# Altium PCB controller.PcbDoc (part 5 of 6) (continued)
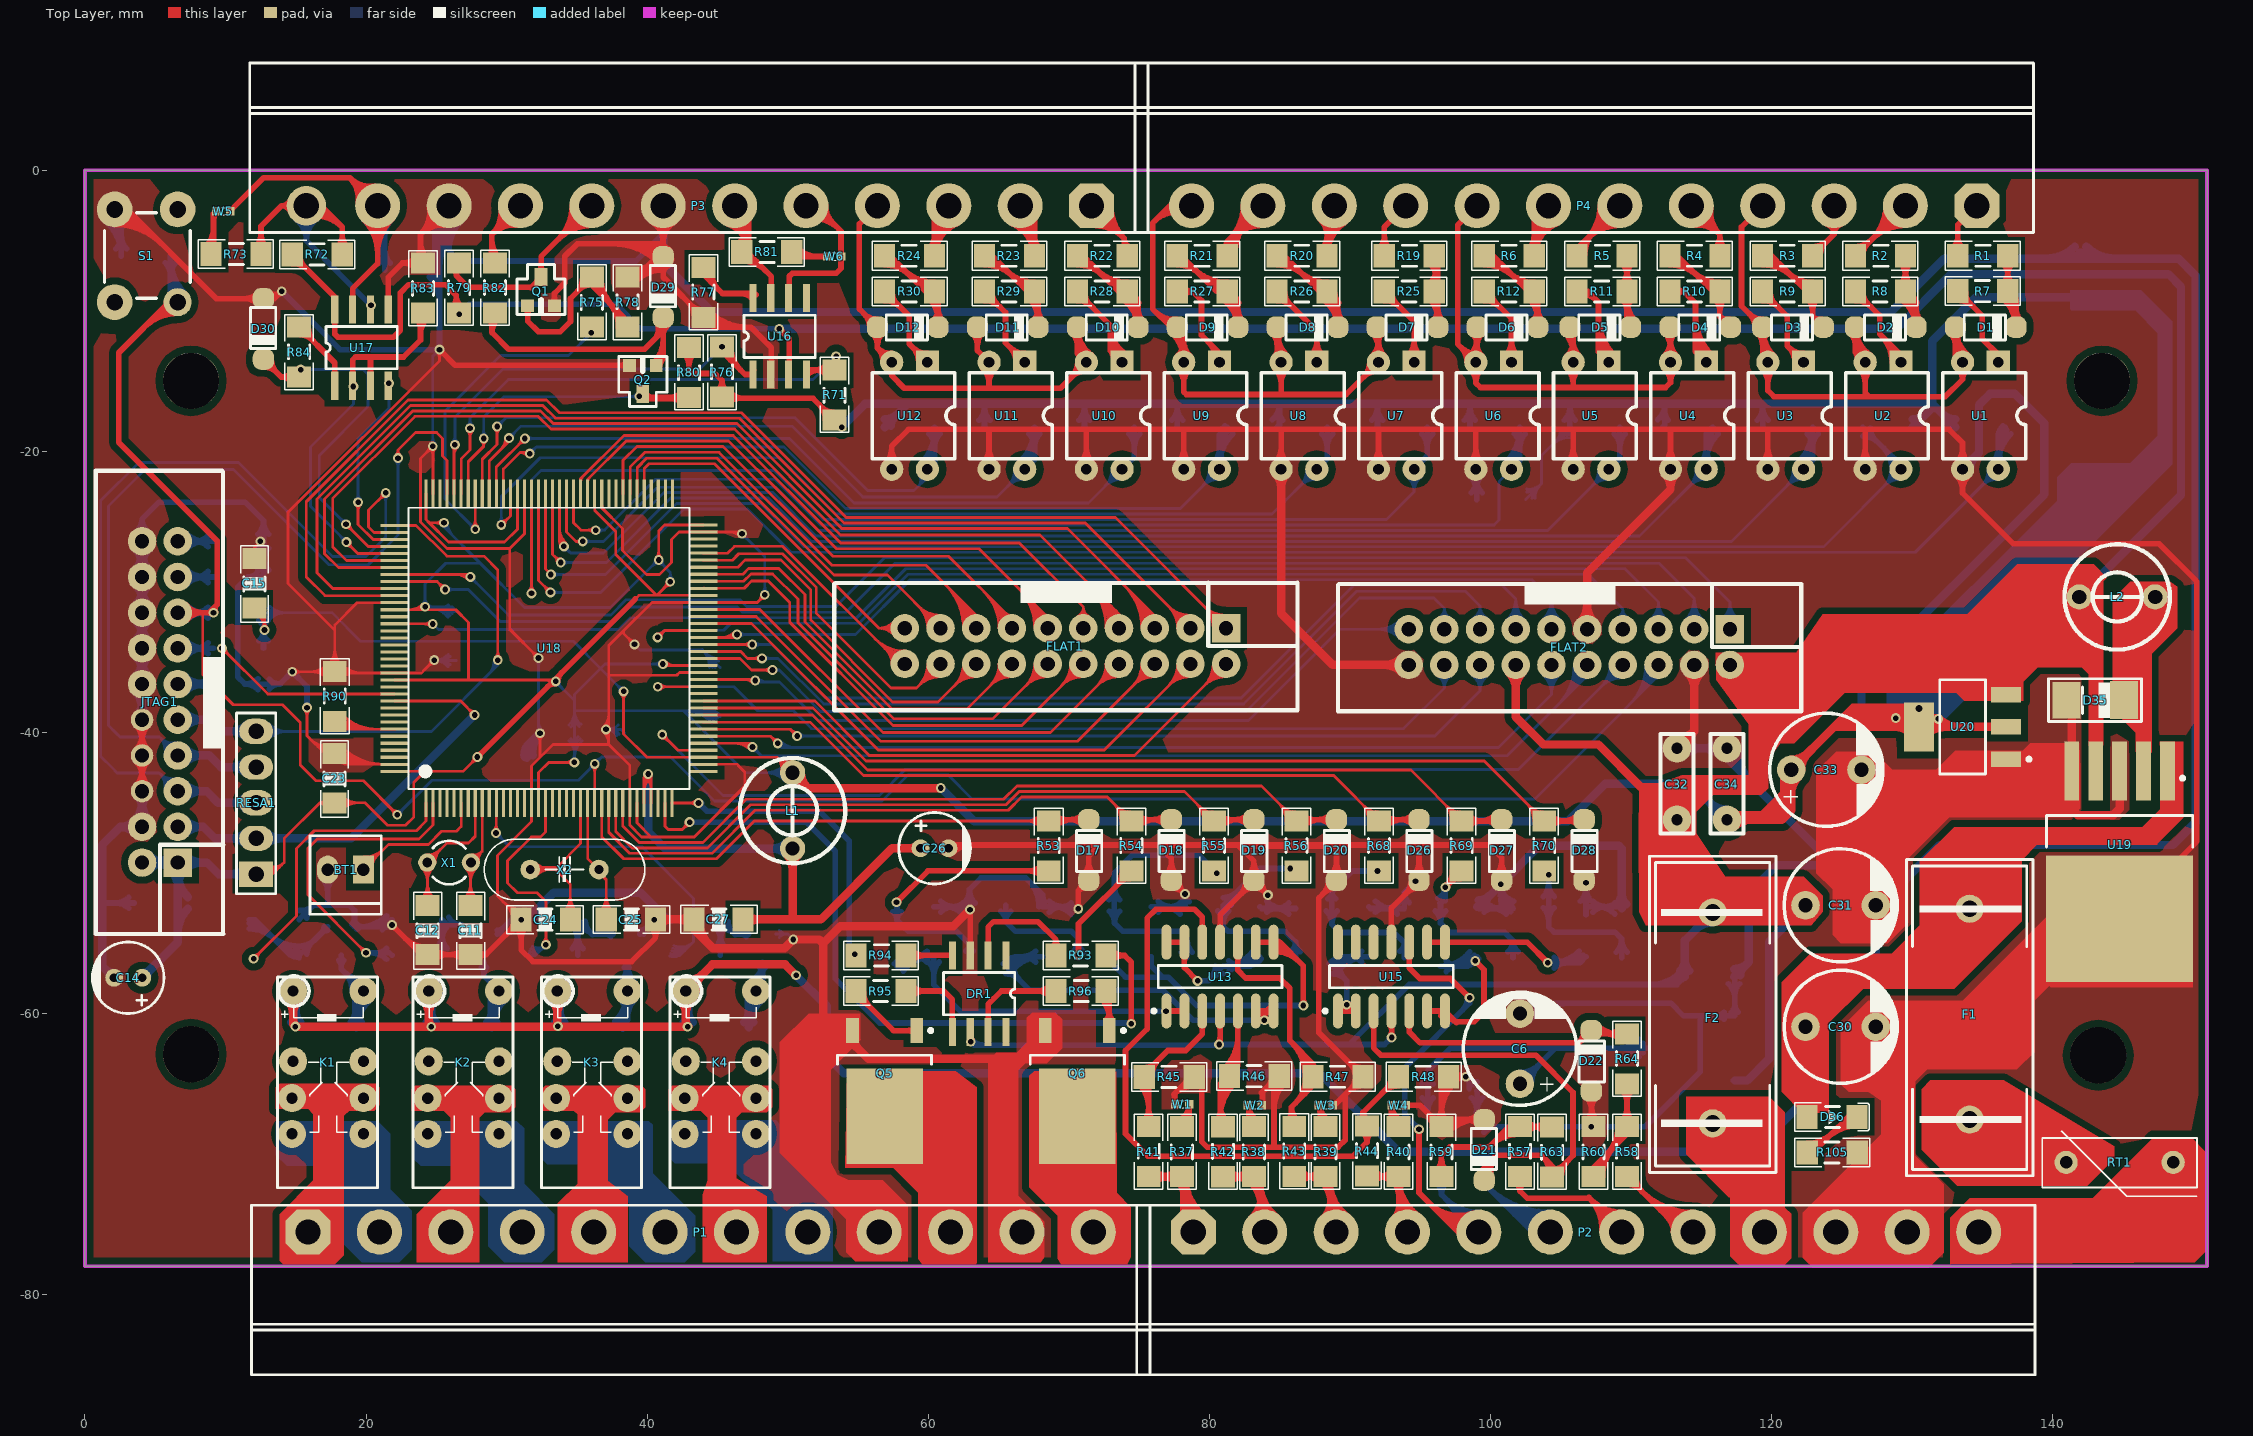
[diagram p0: Top Layer view]
## Nets (pads, with @x,y where several pads share a name; then routed paths per layer and width w, separated by ;. In a path a pad name is that pad's centre, name@x,y a point inside that pad or via, vN(x,y) a via of type N, cw(c..) or ccw(c..) an arc to the next point about the centre after c; other vN are vias at no path point) (continued)
NetR42_2: R42.2 R46.2 U13.5 | length 23.3
  Top Layer w0.4: R42.2@80.486,-67.688 ccw(c79.796,-66.998) 80.772,-66.998 ; R42.2@80.772,-68.072 80.772,-65.024 81.374,-64.422 82.041,-63.755 U13.5@82.041,-59.841 ; R42.2@80.772,-67.484 cw(c84.336,-67.484) R46.2@81.816,-64.964 ; 80.772,-66.518 cw(c83.37,-66.518) R46.2@81.533,-64.681 ; 80.772,-66.501 ccw(c82.451,-66.501) R42.2@81.264,-67.688 ; 80.772,-65.553 cw(c82.405,-65.553) R46.2@81.25,-64.398 ; R46.2@81.038,-63.986 ccw(c78.617,-61.565) 82.041,-61.565 ; R46.2@81.321,-64.269 ccw(c79.583,-62.531) 82.041,-62.531 ; R46.2@81.604,-64.552 ccw(c80.548,-63.496) 82.041,-63.496 ; U13.5@81.935,-60.847 cw(c81.679,-61.103) 82.041,-61.103 cw(c82.403,-61.103) U13.5@82.147,-60.847
NetR43_2: R43.2 R47.2 U13.10 | length 28.7
  Top Layer w0.4: U13.10@81.935,-55.947 cw(c81.679,-56.203) 82.041,-56.203 cw(c82.403,-56.203) U13.10@82.147,-55.947 ; U13.10@82.041,-54.941 82.041,-56.941 82.587,-57.487 85.012,-57.487 85.725,-58.2 85.725,-61.95 87.376,-63.601 ; R43.2@85.561,-67.663 ccw(c84.859,-66.961) 85.852,-66.961 ; R43.2@85.852,-68.072 85.852,-68.052 85.852,-66.675 ; 85.861,-62.086 cw(c83.531,-64.416) R47.2@86.826,-64.416 ; 86.12,-66.407 ccw(c84.411,-64.699) R47.2@86.826,-64.631 ; R43.2@86.301,-67.628 cw(c87.089,-66.675) 85.852,-66.675 ; 86.544,-62.769 cw(c84.896,-64.416) R47.2@87.226,-64.416 ; 86.776,-65.751 ccw(c85.689,-64.663) R47.2@87.226,-64.62 ; R47.2@87.17,-63.906 ccw(c87.047,-63.601) 87.376,-63.601 ; 87.226,-63.451 cw(c86.262,-64.416) R47.2@87.626,-64.416 ; R47.2@87.376,-65.151 85.852,-66.675 ; R47.2@87.376,-64.516 87.376,-63.601 ; R47.2@87.582,-63.906 cw(c87.705,-63.601) 87.376,-63.601
NetR44_2: R44.2 R48.2 U13.12 | length 51.6
  Top Layer w0.4: U13.12@79.395,-53.935 ccw(c79.139,-53.679) 79.501,-53.679 ccw(c79.863,-53.679) U13.12@79.607,-53.935 ; U13.12@79.501,-54.941 79.501,-53.151 78.95,-52.6 76.2,-52.6 75.576,-53.224 75.576,-61.118 74.044,-62.65 74.044,-68.576 75.633,-70.165 90.235,-70.165 91.225,-69.175 ; R44.2@90.736,-67.638 ccw(c90.263,-67.165) 90.932,-67.165 ; R44.2@90.88,-68.456 cw(c90.302,-69.175) 91.225,-69.175 ; R44.2@90.932,-68.027 90.932,-67.056 ; R44.2@91.225,-68.027 91.225,-69.175 ; R44.2@91.269,-67.496 cw(c91.388,-67.056) 90.932,-67.056 ; R44.2@91.57,-68.456 ccw(c92.148,-69.175) 91.225,-69.175 ; 92.362,-65.626 cw(c93.472,-66.735) R48.2@93.472,-65.166 ; 92.604,-65.384 ccw(c91.836,-64.616) R48.2@92.922,-64.616 ; R48.2@93.472,-64.516 90.932,-67.056
NetR57_2: R57.2 R59.2 R63.1 | length 20.6
  Top Layer w0.4: R59.2@96.131,-71.239 ccw(c95.192,-70.3) 96.52,-70.3 ccw(c97.848,-70.3) R59.2@96.909,-71.239 ; R59.2@96.52,-71.628 96.52,-70.104 97.11,-69.514 99.904,-69.514 101.346,-68.072 R57.2@102.108,-68.072 104.4,-68.072 R63.1@104.648,-68.072 ; 99.939,-69.479 cw(c102.008,-71.548) R57.2@102.008,-68.622 ; 100.622,-68.796 cw(c102.008,-70.182) R57.2@102.008,-68.222 ; R57.2@102.597,-68.461 cw(c103.536,-69.4) 103.536,-68.072 cw(c103.536,-66.744) R57.2@102.597,-67.683 ; R57.2@102.924,-68.072 cw(c102.924,-69.468) R63.1@103.911,-68.481 ; 103.02,-68.072 ccw(c103.02,-66.812) R63.1@103.911,-67.703
NetR58_2: R58.2 R60.2 R64.1 | length 20.7
  Top Layer w0.4: R60.2@107.188,-71.628 107.188,-71.623 107.188,-71.12 109.728,-68.58 R58.2@109.728,-68.072 R64.1@109.728,-65.024 ; R60.2@107.2,-71.623 cw(c108.443,-71.623) 107.564,-70.744 ; R60.2@107.6,-71.623 cw(c109.809,-71.623) 108.247,-70.061 ; R60.2@108,-71.623 cw(c111.175,-71.623) 108.93,-69.378 ; 108.259,-70.049 ccw(c106.282,-68.072) R58.2@109.078,-68.072 ; 108.942,-69.366 ccw(c107.648,-68.072) R58.2@109.478,-68.072 ; R58.2@109.339,-67.683 ccw(c108.4,-66.744) 109.728,-66.744 ccw(c111.056,-66.744) R58.2@110.117,-67.683 ; R64.1@109.339,-65.413 cw(c108.4,-66.352) 109.728,-66.352 cw(c111.056,-66.352) R64.1@110.117,-65.413
NetR73_1: R73.1 W5.2 | length 7.3
  Top Layer w0.4: R73.1@8.578,-5.486 ccw(c7.212,-4.12) 9.144,-4.12 ; R73.1@8.861,-5.769 ccw(c8.178,-5.086) 9.144,-5.086 ; R73.1@9.144,-6.604 9.144,-5.975 9.144,-3.106 W5.2@9.325,-2.925 ; 9.144,-4.975 ccw(c9.867,-4.975) R73.1@9.356,-5.486 ; 9.144,-3.603 cw(c10.003,-3.603) W5.2@9.396,-2.996
NetR77_2: R77.2 U16.8 | length 7.7
  Top Layer w0.4: R77.2@44.196,-7.62 45.361,-8.785 47.525,-8.785 U16.8@47.575,-8.785 ; R77.2@44.247,-6.959 ccw(c45.32,-7.191) 44.544,-7.968 ; R77.2@44.638,-7.043 ccw(c46.174,-7.375) 45.062,-8.486 ; 46.608,-8.785 cw(c46.608,-10.027) U16.8@47.486,-9.149 ; U16.8@47.573,-8.785 cw(c47.573,-9.062) U16.8@47.769,-8.866
NetR81_2: R81.2 W6.2 | length 5.6
  Top Layer w0.4: R81.2@50.292,-5.825 50.617,-6.15 W6.2@52.8,-6.15 ; R81.2@50.398,-5.819 ccw(c51.197,-5.02) 51.197,-6.15 ; R81.2@50.681,-6.314 cw(c51.077,-6.71) 51.077,-6.15 ; R81.2@50.681,-5.536 ccw(c52.163,-4.054) 52.163,-6.15
NetR84_2: R84.2 U17.1 | length 7.3
  Top Layer w0.4: R84.2@15.24,-11.176 17.775,-13.711 U17.1@17.775,-15.35 ; R84.2@15.34,-11.726 cw(c15.34,-12.812) 16.108,-12.044 ; R84.2@15.89,-11.176 ccw(c17.459,-11.176) 16.35,-12.286
NetR90_1: R90.1 U18.138 | length 14.1
  Top Layer w0.2: R90.1@17.769,-39.339 ccw(c18.848,-38.26) 18.848,-39.786 ; R90.1@17.78,-39.624 17.942,-39.786 U18.138@22.02,-39.786 ; R90.1@17.91,-39.198 ccw(c19.331,-37.777) 19.331,-39.786 ; R90.1@18.052,-39.056 ccw(c19.814,-37.294) 19.814,-39.786 ; R90.1@18.193,-38.915 ccw(c20.296,-36.812) 20.296,-39.786 ; R90.1@18.335,-38.773 ccw(c20.779,-36.329) 20.779,-39.786
O1: K1.3 P1.2 | length 12.5
  Bottom Layer w0.4: K1.3@14.732,-68.58 K1.3@19.812,-68.58 19.812,-74.422 P1.2@20.955,-75.565
O2: K2.3 P1.4 | length 12.7
  Bottom Layer w0.4: K2.3@24.384,-68.58 K2.3@29.464,-68.58 29.464,-72.389 31.115,-74.04 P1.4@31.115,-75.565
O3: K3.3 P1.6 | length 13.2
  Bottom Layer w0.4: K3.3@33.528,-68.58 K3.3@38.608,-68.58 38.608,-71.983 41.275,-74.65 P1.6@41.275,-75.565
O4: K4.3 P1.8 | length 13.6
  Bottom Layer w0.4: K4.3@42.672,-68.58 K4.3@47.752,-68.58
  Bottom Layer w0.6: K4.3@47.752,-68.58 51.435,-72.263 P1.8@51.435,-75.565
OHMA: P2.5 R61.1 U15.10 | length 63.3
  Top Layer w0.4: U15.10@94.127,-55.947 cw(c93.871,-56.203) 94.233,-56.203 cw(c94.595,-56.203) U15.10@94.339,-55.947 ; U15.10@94.233,-54.941 94.233,-56.783 94.975,-57.525 97.15,-57.525 ; v1@94.819,-68.356 cw(c94.563,-68.612) 94.925,-68.612 cw(c95.287,-68.612) v1@95.031,-68.356 ; v1(94.925,-68.25) 94.925,-72.775 97.715,-75.565 P2.5@99.187,-75.565 ; 95.661,-73.511 ccw(c97.789,-71.383) P2.5@98.743,-74.237 ; 96.118,-73.968 ccw(c98.018,-72.068) P2.5@98.87,-74.617 ; 96.575,-74.425 ccw(c98.247,-72.754) P2.5@98.997,-74.996 ; 97.033,-74.883 ccw(c98.476,-73.439) P2.5@99.124,-75.375 ; 97.49,-75.34 ccw(c98.705,-74.124) P2.5@99.25,-75.755 ; v1@98.3,-58.675 97.15,-57.525 ; v1(98.525,-58.9) 97.15,-57.525 ; 98.269,-58.644 ccw(c98.525,-58.388) 98.525,-58.75 cw(c98.525,-58.388) 98.269,-58.644 ; 98.269,-58.644 cw(c98.013,-58.9) 98.375,-58.9 ccw(c98.013,-58.9) 98.269,-58.644
  Bottom Layer w0.4: v1@94.775,-68.25 ccw(c94.413,-68.25) 94.669,-67.994 ccw(c94.925,-67.738) v1@94.925,-68.1 ; v1(94.925,-68.25) 93.925,-67.25 93.925,-63.875 98.525,-59.275 v1(98.525,-58.9) ; R61.1@96.144,-72.029 cw(c95.329,-72.898) 96.52,-72.898 ; R61.1@96.52,-71.628 96.52,-72.898 ; R61.1@96.896,-72.029 ccw(c97.711,-72.898) 96.52,-72.898 ; P2.5@97.787,-75.565 ccw(c94.407,-75.565) 96.797,-73.175 ccw(c99.187,-70.785) P2.5@99.187,-74.165 ; 98.004,-59.796 ccw(c97.108,-58.9) v1@98.375,-58.9 ; P2.5@98.187,-75.565 ccw(c95.773,-75.565) 97.48,-73.858 ccw(c99.187,-72.151) P2.5@99.187,-74.565 ; P2.5@99.187,-75.565 96.52,-72.898
OHMB: P2.6 R62.2 | length 26.7
  Bottom Layer w0.4: R62.2@99.06,-71.628 102.997,-75.565 P2.6@104.267,-75.565 ; R62.2@99.16,-72.178 cw(c99.16,-73.264) 99.928,-72.496 ; R62.2@99.709,-72.277 ccw(c104.267,-67.719) P2.6@104.267,-74.165 ; R62.2@99.71,-71.628 ccw(c101.279,-71.628) 100.17,-72.738 ; 100.392,-72.96 ccw(c104.267,-69.085) P2.6@104.267,-74.565 ; 101.075,-73.643 ccw(c104.267,-70.45) P2.6@104.267,-74.965 ; 101.758,-74.326 ccw(c104.267,-71.816) P2.6@104.267,-75.365 ; 102.44,-75.008 ccw(c104.267,-73.182) P2.6@104.267,-75.765
OUT_5V: F2.2 P2.9 | length 9.3
  Top Layer w0.6: F2.2@115.824,-67.832 119.507,-71.515 P2.9@119.507,-75.565
RELAY1: R97.2 U18.1 | length 21.4
  Top Layer w0.2: v1(12,-56.125) 15.05,-53.075 15.05,-48.277 16.312,-47.015 23.585,-47.015 24.27,-46.33 U18.1@24.27,-45.036 ; v1@12,-55.875 ccw(c12,-55.271) 12.427,-55.698 ccw(c12.854,-56.125) v1@12.25,-56.125
RELAY2: R99.2 U18.2 | length 25.8
  Top Layer w0.2: v1@19.75,-55.7 ccw(c19.146,-55.7) 19.573,-55.273 ccw(c20,-54.846) v1@20,-55.45 ; v1(20,-55.7) 15.85,-51.55 15.85,-48.275 16.525,-47.6 23.775,-47.6 24.77,-46.605 U18.2@24.77,-45.036
  Bottom Layer w0.4: v1(20,-55.7) 21.664,-55.7 R99.2@21.844,-55.88 ; v1@20.106,-55.806 cw(c20.362,-56.062) 20.362,-55.7 cw(c20.362,-55.338) v1@20.106,-55.594 ; v1@20.323,-55.7 cw(c20.323,-57.301) R99.2@21.455,-56.169 ; 20.709,-55.7 ccw(c20.709,-54.645) R99.2@21.455,-55.391
RELAY3: R101.2 U18.18 | length 20.8
  Top Layer w0.2: v1@32.623,-54.948 ccw(c32.196,-54.521) 32.8,-54.521 ccw(c33.404,-54.521) v1@32.977,-54.948 ; U18.18@32.77,-45.036 32.77,-47.105 32.413,-47.462 31.763,-47.462 30.075,-49.15 30.075,-50.725 30.775,-51.425 32.175,-51.425 32.8,-52.05 v1(32.8,-55.125)
  Bottom Layer w0.2: R101.2@31.496,-55.88 32.045,-55.88 v1(32.8,-55.125) cw(c32.256,-54.581) R101.2@31.844,-55.231 ; R101.2@31.523,-55.738 ccw(c31.845,-55.23) 32.27,-55.655 ; R101.2@31.63,-55.569 ccw(c31.982,-55.013) 32.447,-55.478 ; R101.2@31.737,-55.4 ccw(c32.119,-54.797) v1@32.623,-55.302 ; v1@32.55,-55.125 cw(c31.946,-55.125) 32.373,-55.552 cw(c32.8,-55.979) v1@32.8,-55.375
RELAY4: R103.2 U18.11 | length 31.3
  Top Layer w0.2: v1@29.073,-46.998 ccw(c28.598,-46.523) 29.27,-46.523 ; v1(29.25,-47.175) 29.27,-47.155 U18.11@29.27,-45.036 ; 29.27,-46.62 ccw(c29.805,-46.62) v1@29.427,-46.998
  Bottom Layer w0.2: v1@29.25,-47.425 cw(c29.25,-48.029) 29.677,-47.602 cw(c30.104,-47.175) v1@29.5,-47.175 ; v1(29.25,-47.175) 30.225,-48.15 39.625,-48.15 43.3,-51.825 43.3,-54.925 ; R103.2@41.596,-55.917 ccw(c41.914,-55.194) 42.472,-55.753 ; R103.2@41.656,-55.88 42.345,-55.88 43.3,-54.925 ; R103.2@41.676,-55.734 ccw(c42.04,-54.906) 42.679,-55.546 ; R103.2@41.757,-55.551 ccw(c42.166,-54.619) 42.886,-55.339 ; R103.2@41.837,-55.368 ccw(c42.292,-54.331) 43.093,-55.132 ; R103.2@41.917,-55.185 ccw(c42.419,-54.044) 43.3,-54.925
RESET: C13.1 FLAT2.6 JTAG1.15 R85.2 S1.2 U18.25 | length 203.4
  Top Layer w0.2: 8.375,-31.496 8.375,-35.875 10.55,-38.05 14.05,-38.05 15.325,-39.325 15.325,-42.35 16.425,-43.45 19.8,-43.45 v1(22.225,-45.875) ; v1@21.975,-45.875 ccw(c21.371,-45.875) 21.798,-45.448 ccw(c22.225,-45.021) v1@22.225,-45.625 ; v1@36.093,-42.432 cw(c35.666,-42.859) 36.27,-42.859 cw(c36.874,-42.859) v1@36.447,-42.432 ; U18.25@36.27,-45.036 v1(36.27,-42.255)
  Top Layer w0.4: 4.209,-11.191 cw(c6.596,-13.577) S1.2@6.596,-10.202 ; 4.892,-10.508 cw(c6.596,-12.211) S1.2@6.596,-9.802 ; 5.575,-9.825 cw(c6.596,-10.846) S1.2@6.596,-9.402 5.998,-9.402 2.4,-13 2.4,-19.375 9.4,-26.375 9.4,-30.925 ; 5.653,-9.747 ccw(c5.308,-9.402) S1.2@5.796,-9.402 ; JTAG1.15@6.604,-31.496 8.375,-31.496 ; JTAG1.15@7.224,-32.026 cw(c8.375,-33.01) 8.375,-31.496 ; JTAG1.15@7.224,-30.966 ccw(c8.375,-29.982) 8.375,-31.496 ; 8.776,-31.496 cw(c8.776,-31.872) v1@9.042,-31.606 ; 8.796,-31.496 ccw(c8.796,-31.148) v1@9.042,-31.394 ; v1@9.144,-31.496 v1@8.829,-31.496 ; v1@9.288,-31.447 cw(c9.747,-31.272) 9.4,-30.925 ; 8.375,-31.496 v1@8.829,-31.496 ; v1@8.829,-31.496 8.986,-31.338 9.4,-30.925
  Bottom Layer w0.2: R85.2@9.144,-31.496 v1(9.148,-31.5) ; v1(22.225,-45.875) 24.675,-43.425 35.1,-43.425 v1(36.27,-42.255) 36.75,-41.775 41.675,-41.775 44.79,-44.89 56.722,-44.89 58.562,-43.05 61.425,-43.05 63.125,-44.75 103.175,-44.75 111.97,-35.955 FLAT2.6@111.97,-35.215 ; v1@22.225,-45.625 ccw(c22.225,-45.021) 22.652,-45.448 ccw(c23.079,-45.875) v1@22.475,-45.875 ; v1@36.02,-42.255 cw(c35.416,-42.255) 35.843,-42.682 cw(c36.27,-43.109) v1@36.27,-42.505 ; v1@36.27,-42.005 ccw(c36.27,-41.401) 36.697,-41.828 ccw(c37.124,-42.255) v1@36.52,-42.255 ; 109.883,-38.042 ccw(c107.056,-35.215) FLAT2.6@111.054,-35.215 ; 110.224,-37.701 ccw(c107.739,-35.215) FLAT2.6@111.254,-35.215 ; 110.566,-37.359 ccw(c108.422,-35.215) FLAT2.6@111.454,-35.215 ; 110.907,-37.018 ccw(c109.105,-35.215) FLAT2.6@111.654,-35.215 ; 111.249,-36.676 ccw(c109.787,-35.215) FLAT2.6@111.854,-35.215 ; 111.59,-36.335 ccw(c110.47,-35.215) FLAT2.6@112.054,-35.215 ; 111.67,-36.255 cw(c111.97,-36.556) FLAT2.6@111.97,-36.131
  Bottom Layer w0.4: C13.1@5.699,-6.585 cw(c4.76,-7.524) 6.088,-7.524 cw(c7.416,-7.524) C13.1@6.477,-6.585 ; 6.088,-8.176 ccw(c7.822,-8.176) S1.2@6.596,-9.402 ; 6.088,-7.21 ccw(c8.788,-7.21) S1.2@6.879,-9.119 ; C13.1@6.088,-6.244 ccw(c9.754,-6.244) S1.2@7.162,-8.836 ; C13.1@6.088,-6.096 6.088,-8.655 S1.2@6.6,-9.167 ; JTAG1.15@6.604,-31.496 R85.2@9.144,-31.496 ; JTAG1.15@7.181,-32.073 cw(c8.574,-33.466) 8.574,-31.496 cw(c8.574,-29.526) JTAG1.15@7.181,-30.919 ; R85.2@8.755,-31.885 ccw(c7.816,-32.824) 7.816,-31.496 ccw(c7.816,-30.168) R85.2@8.755,-31.107 ; R85.2@8.776,-31.496 cw(c8.776,-31.872) R85.2@9.042,-31.606 ; R85.2@8.796,-31.496 ccw(c8.796,-31.148) R85.2@9.042,-31.394
RS485A: P3.12 R72.1 R73.2 U17.6 | length 38.9
  Top Layer w0.4: R73.2@12.134,-5.486 ccw(c11.195,-4.547) 12.523,-4.547 ccw(c13.851,-4.547) R73.2@12.912,-5.486 ; R73.2@12.523,-5.975 12.523,-4.002 13.985,-2.54 ; P3.12@14.632,-2.98 ccw(c13.985,-3.235) 13.985,-2.54 ; P3.12@14.632,-2.1 cw(c13.985,-1.845) 13.985,-2.54 ; P3.12@15.826,-2.932 cw(c16.248,-5.045) 17.772,-3.522 ; P3.12@15.905,-3.325 cw(c16.424,-5.926) 18.3,-4.05 ; 17.243,-2.993 ccw(c16.072,-4.163) P3.12@15.748,-2.54 ; R72.1@17.919,-5.511 ccw(c16.98,-4.572) 18.308,-4.572 ccw(c19.636,-4.572) R72.1@18.697,-5.511 ; R72.1@18.308,-6 18.308,-4.058 16.79,-2.54 P3.12@15.748,-2.54 ; U17.6@20.315,-9.91 20.35,-9.875 v1(20.35,-9.625) ; 13.985,-2.54 P3.12@15.748,-2.54
  Bottom Layer w0.4: P3.12@15.002,-3.48 cw(c13.779,-5.023) 15.748,-5.023 ; P3.12@15.251,-3.167 cw(c14.436,-4.195) 15.748,-4.195 cw(c17.06,-4.195) P3.12@16.245,-3.167 ; P3.12@15.748,-2.54 15.748,-5.023 ; P3.12@16.494,-3.48 ccw(c17.717,-5.023) 15.748,-5.023 ; v1@20.2,-9.625 ccw(c19.838,-9.625) 20.094,-9.369 ccw(c20.35,-9.113) v1@20.35,-9.475 ; v1(20.35,-9.625) 15.748,-5.023
RS485B: P3.11 R74.2 U17.7 W5.1 | length 55.6
  Top Layer w0.4: W5.1@10.325,-2.925 12.7,-0.55 18.838,-0.55 ; U17.7@19.05,-9.292 19.05,-8.425 20.828,-6.647 P3.11@20.828,-2.54 ; P3.11@19.441,-2.348 ccw(c17.333,-2.055) 18.838,-0.55 ; P3.11@19.838,-3.53 cw(c17.448,-5.92) 20.828,-5.92 cw(c24.208,-5.92) P3.11@21.818,-3.53 ; P3.11@19.837,-2.403 ccw(c18.332,-2.194) 19.407,-1.119 ccw(c20.482,-0.044) P3.11@20.691,-1.549 ; P3.11@20.121,-3.247 cw(c18.414,-4.954) 20.828,-4.954 cw(c23.242,-4.954) P3.11@21.535,-3.247 ; P3.11@20.636,-1.153 cw(c20.343,0.955) 18.838,-0.55 ; P3.11@21.025,-2.737 P3.11@20.828,-2.54 ; 18.838,-0.55 P3.11@20.828,-2.54
  Bottom Layer w0.4: P3.11@19.839,-3.531 cw(c16.237,-7.14) R74.2@21.336,-7.14 ; P3.11@20.122,-3.248 cw(c17.2,-6.176) 21.336,-6.176 ; P3.11@20.404,-2.965 cw(c18.162,-5.211) 21.336,-5.211 ; P3.11@20.687,-2.682 cw(c19.125,-4.247) 21.336,-4.247 ; P3.11@20.828,-2.54 21.336,-3.048 R74.2@21.336,-7.112 ; R74.2@20.947,-6.623 ccw(c20.008,-5.684) 21.336,-5.684 ccw(c22.664,-5.684) R74.2@21.725,-6.623 ; 21.336,-4.693 cw(c22.981,-4.693) P3.11@21.818,-3.53
RS-LCD: FLAT1.13 U18.80 | length 47.5
  Top Layer w0.2: U18.80@38.295,-23.036 38.295,-20.653 39.288,-19.66 45.41,-19.66 53.227,-27.477 61.452,-27.477 65.96,-31.985 FLAT1.13@65.96,-32.6 ; 63.961,-29.986 cw(c61.348,-32.6) FLAT1.13@65.044,-32.6 ; 64.303,-30.328 cw(c62.031,-32.6) FLAT1.13@65.244,-32.6 ; 64.644,-30.669 cw(c62.714,-32.6) FLAT1.13@65.444,-32.6 ; 64.986,-31.011 cw(c63.396,-32.6) FLAT1.13@65.644,-32.6 ; 65.327,-31.352 cw(c64.079,-32.6) FLAT1.13@65.844,-32.6 ; 65.446,-31.471 ccw(c65.96,-30.957) FLAT1.13@65.96,-31.684
RST_ENC: FLAT2.1 U18.116 | length 110.4
  Top Layer w0.2: U18.116@22.02,-28.786 27.261,-28.786 v1(27.422,-28.947) ; 26.43,-28.786 cw(c26.43,-29.94) v1@27.245,-29.124 ; 26.912,-28.786 cw(c26.912,-29.457) v1@27.387,-28.982
  Bottom Layer w0.2: v1@27.422,-29.197 cw(c27.422,-29.801) 27.849,-29.374 cw(c28.276,-28.947) v1@27.672,-28.947 ; v1(27.422,-28.947) 30.125,-31.65 37.425,-31.65 38.5,-30.575 46.6,-30.575 47.075,-31.05 53.425,-31.05 56.885,-27.59 113.89,-27.59 117.05,-30.75 ; FLAT2.1@116.472,-31.964 ccw(c115.485,-30.75) 117.05,-30.75 ; FLAT2.1@116.598,-32.119 ccw(c115.827,-31.17) 117.05,-31.17 ccw(c118.273,-31.17) FLAT2.1@117.502,-32.119 ; FLAT2.1@116.725,-32.275 ccw(c116.169,-31.591) 117.05,-31.591 ccw(c117.931,-31.591) FLAT2.1@117.375,-32.275 ; FLAT2.1@117.05,-32.675 117.05,-30.75 ; FLAT2.1@117.628,-31.964 cw(c118.615,-30.75) 117.05,-30.75
RTCK: JTAG1.11 R86.1 | length 7
  Bottom Layer w0.6: JTAG1.11@6.604,-36.576 R86.1@9.144,-36.576 ; JTAG1.11@7.11,-37.082 cw(c8.333,-38.305) 8.333,-36.576 cw(c8.333,-34.847) JTAG1.11@7.11,-36.07 ; R86.1@8.826,-36.894 ccw(c8.058,-37.662) 8.058,-36.576 ccw(c8.058,-35.49) R86.1@8.826,-36.258
RW485: R83.2 U17.2 U17.3 U18.113 | length 33.9
  Top Layer w0.2: v1@18.6,-26.725 cw(c18.6,-27.329) 19.027,-26.902 cw(c19.454,-26.475) v1@18.85,-26.475 ; v1(18.6,-26.475) 19.411,-27.286 U18.113@22.02,-27.286 ; U17.2@19.045,-15.35 v1(19.1,-15.405)
  Top Layer w0.4: U17.2@19.045,-15.35 19.045,-13.505 19.25,-13.3 20.4,-13.3 ; U17.2@19.045,-14.91 ccw(c19.595,-14.91) U17.2@19.206,-15.299 ; U17.3@20.315,-15.35 20.315,-13.385 20.4,-13.3 ; R83.2@23.561,-10.562 cw(c22.801,-11.322) 23.876,-11.322 ; 23.876,-11.679 cw(c25.456,-11.679) R83.2@24.339,-10.562 ; R83.2@23.876,-10.16 23.876,-10.173 23.876,-12.099 22.675,-13.3 20.4,-13.3
  Bottom Layer w0.2: v1@18.35,-26.475 ccw(c17.746,-26.475) 18.173,-26.048 ccw(c18.6,-25.621) v1@18.6,-26.225 ; v1(18.6,-26.475) 16.05,-23.925 16.05,-19.7 19.1,-16.65 v1(19.1,-15.405) ; v1@18.923,-15.582 cw(c18.496,-16.009) 19.1,-16.009 cw(c19.704,-16.009) v1@19.277,-15.582
RX_485: D30.2 R84.1 U18.112 | length 34
  Top Layer w0.2: R84.1@15.325,-14.175 v1(15.35,-14.2) ; v1@18.575,-25.45 cw(c18.575,-26.054) 19.002,-25.627 cw(c19.429,-25.2) v1@18.825,-25.2 ; v1(18.575,-25.2) 20.161,-26.786 U18.112@22.02,-26.786
  Top Layer w0.4: D30.2@12.7,-13.462 13.97,-14.732 ; D30.2@12.712,-14.012 cw(c12.712,-15.311) 13.63,-14.392 ; D30.2@13.262,-13.462 ccw(c14.619,-13.462) 13.659,-14.421 ; R84.1@14.716,-15.083 ccw(c13.97,-15.701) 13.97,-14.732 ; R84.1@14.716,-14.381 cw(c13.97,-13.763) 13.97,-14.732 ; R84.1@14.779,-14.732 ccw(c14.779,-13.764) R84.1@15.549,-14.352 ; R84.1@15.231,-14.109 cw(c13.97,-13.145) 13.97,-14.732 ; R84.1@15.24,-14.732 13.97,-14.732
  Bottom Layer w0.2: v1(15.35,-14.2) 19.8,-14.2 20.15,-14.55 20.15,-16.825 16.675,-20.3 16.675,-23.3 v1(18.575,-25.2) ; v1@15.527,-14.377 cw(c15.954,-14.804) 15.954,-14.2 cw(c15.954,-13.596) v1@15.527,-14.023 ; v1@18.325,-25.2 ccw(c17.721,-25.2) 18.148,-24.773 ccw(c18.575,-24.346) v1@18.575,-24.95
RX_LINK: Q2.3 R80.2 U18.102 | length 34.8
  Top Layer w0.2: U18.102@27.27,-23.036 27.27,-20.755 28.375,-19.65 ; v1@28.211,-19.288 cw(c27.895,-19.65) 28.375,-19.65 ; v1(28.375,-19.1) 28.375,-19.65 ; v1@28.539,-19.288 ccw(c28.855,-19.65) 28.375,-19.65 ; v1(39.45,-16.1) Q2.3@39.525,-16.1
  Top Layer w0.4: Q2.3@39.565,-16.004 ccw(c39.926,-15.704) Q2.3@39.926,-16.173 ; Q2.3@39.648,-16.283 39.675,-16.256 39.702,-16.283 42.243,-16.283 R80.2@42.554,-16.594 ; Q2.3@39.685,-15.932 Q2.3@39.926,-16.173 ; Q2.3@39.867,-16.292 cw(c40.153,-16.578) 40.153,-16.173 ; Q2.3@39.988,-16.173 cw(c39.988,-15.562) 39.556,-15.994 ccw(c40.253,-15.297) 40.253,-16.283 ; 40.458,-16.173 cw(c40.458,-15.336) 39.867,-15.928 ccw(c40.723,-15.071) 40.723,-16.283 ; 41.282,-16.283 ccw(c41.282,-14.58) 42.486,-15.784 cw(c41.547,-14.845) 41.547,-16.173 cw(c41.547,-17.501) 42.486,-16.562 ccw(c41.812,-17.236) 41.812,-16.283 ; R80.2@42.825,-16.323 R80.2@42.975,-16.473 ; R80.2@42.975,-16.173 Q2.3@39.926,-16.173
  Bottom Layer w0.2: v1@28.198,-18.923 ccw(c27.771,-18.496) 28.375,-18.496 ccw(c28.979,-18.496) v1@28.552,-18.923 ; v1(28.375,-19.1) 28.375,-17.575 29.825,-16.125 39.425,-16.125 v1(39.45,-16.1) ; 38.786,-16.125 ccw(c38.786,-15.436) v1@39.273,-15.923 ; 38.907,-16.125 cw(c38.907,-16.643) v1@39.273,-16.277
SCK_ENC: FLAT2.10 U18.41 | length 83.5
  Top Layer w0.2: U18.41@44.02,-40.786 47.236,-40.786 v1(47.5,-41.05) ; 46.259,-40.786 cw(c46.259,-42.291) v1@47.323,-41.227 ; 46.742,-40.786 cw(c46.742,-41.808) v1@47.465,-41.085 ; 47.225,-40.786 cw(c47.225,-41.325) v1@47.606,-40.944
  Bottom Layer w0.2: v1@47.5,-41.3 cw(c47.5,-41.904) 47.927,-41.477 cw(c48.354,-41.05) v1@47.75,-41.05 ; v1(47.5,-41.05) 48.125,-41.675 101.2,-41.675 106.89,-35.985 FLAT2.10@106.89,-35.215 ; 104.782,-38.093 ccw(c101.904,-35.215) FLAT2.10@105.974,-35.215 ; 105.123,-37.752 ccw(c102.586,-35.215) FLAT2.10@106.174,-35.215 ; 105.465,-37.41 ccw(c103.269,-35.215) FLAT2.10@106.374,-35.215 ; 105.806,-37.069 ccw(c103.952,-35.215) FLAT2.10@106.574,-35.215 ; 106.147,-36.728 ccw(c104.635,-35.215) FLAT2.10@106.774,-35.215 ; 106.489,-36.386 ccw(c105.318,-35.215) FLAT2.10@106.974,-35.215 ; 106.641,-36.234 cw(c106.89,-36.483) FLAT2.10@106.89,-36.131
TCLK: JTAG1.9 RESA1.5 U18.109 | length 55.2
  Top Layer w0.2: U18.109@22.02,-25.286 23.561,-25.286 25.75,-27.475 28.4,-27.475 29.375,-28.45 v1(29.375,-34.875) ; v1@29.198,-34.698 ccw(c28.771,-34.271) 29.375,-34.271 ccw(c29.979,-34.271) v1@29.552,-34.698
  Bottom Layer w0.2: RESA1.5@12.175,-39.94 24.66,-39.94 29.375,-35.225 v1(29.375,-34.875) ; RESA1.5@12.758,-40.223 cw(c13.441,-40.906) 13.441,-39.94 cw(c13.441,-38.974) RESA1.5@12.758,-39.657 ; RESA1.5@12.899,-40.364 cw(c13.924,-41.389) 13.924,-39.94 cw(c13.924,-38.491) RESA1.5@12.899,-39.516 ; RESA1.5@13.041,-40.506 cw(c14.406,-41.871) 14.406,-39.94 cw(c14.406,-38.009) RESA1.5@13.041,-39.374 ; 28.701,-35.899 ccw(c27.676,-34.875) v1@29.125,-34.875 ; 29.042,-35.558 ccw(c28.359,-34.875) v1@29.325,-34.875
  Bottom Layer w0.6: JTAG1.9@6.604,-39.116 8.825,-39.116 9.649,-39.94 RESA1.5@12.175,-39.94 ; JTAG1.9@7.11,-39.622 cw(c8.333,-40.845) 8.333,-39.116 cw(c8.333,-37.387) JTAG1.9@7.11,-38.61 ; RESA1.5@11.451,-40.364 ccw(c10.426,-41.389) 10.426,-39.94 ccw(c10.426,-38.491) RESA1.5@11.451,-39.516
TDI: JTAG1.5 RESA1.3 U18.110 | length 76
  Top Layer w0.2: v1@21.15,-22.975 cw(c20.546,-22.975) 20.973,-23.402 cw(c21.4,-23.829) v1@21.4,-23.225 ; v1(21.4,-22.975) 20.175,-24.2 20.175,-25.4 20.561,-25.786 U18.110@22.02,-25.786
  Bottom Layer w0.2: 2.225,-42.825 1.951,-42.551 ; 5.567,-43.192 ccw(c6.318,-42.442) JTAG1.5@6.489,-43.489 ; 5.582,-43.207 cw(c4.811,-43.978) JTAG1.5@5.893,-44.11 ; JTAG1.5@5.695,-44.085 ccw(c4.293,-43.915) 5.292,-42.917 ccw(c6.24,-41.968) JTAG1.5@6.456,-43.292 ; 5.843,-43.468 ccw(c6.395,-42.917) JTAG1.5@6.521,-43.687 ; JTAG1.5@6.604,-44.196 6.571,-44.196 5.275,-42.9 2.3,-42.9 1.951,-42.551 ; v1@21.223,-23.152 cw(c20.796,-23.579) 21.4,-23.579 cw(c22.004,-23.579) v1@21.577,-23.152 ; v1(21.4,-22.975) 21.4,-26.1 20,-27.5 17.625,-27.5 10.925,-20.8 3.85,-20.8 1.125,-23.525 1.125,-41.725 1.951,-42.551
  Bottom Layer w0.6: JTAG1.5@6.604,-44.196 8.651,-44.196 9.475,-45.02 RESA1.3@12.175,-45.02 ; JTAG1.5@7.11,-44.702 cw(c8.333,-45.925) 8.333,-44.196 cw(c8.333,-42.467) JTAG1.5@7.11,-43.69 ; RESA1.3@11.451,-45.444 ccw(c10.426,-46.469) 10.426,-45.02 ccw(c10.426,-43.571) RESA1.3@11.451,-44.596
TDO: JTAG1.13 R89.2 U18.133 | length 22.4
  Top Layer w0.2: v1@9.75,-34.275 cw(c9.75,-34.879) 10.177,-34.452 cw(c10.604,-34.025) v1@10,-34.025 ; v1(9.75,-34.025) 13.011,-37.286 U18.133@22.02,-37.286
  Bottom Layer w0.2: R89.2@9.144,-34.036 R89.2@9.208,-34.1
  Bottom Layer w0.4: JTAG1.13@6.604,-34.036 R89.2@9.144,-34.036 ; JTAG1.13@7.181,-34.613 cw(c8.574,-36.006) 8.574,-34.036 cw(c8.574,-32.066) JTAG1.13@7.181,-33.459 ; R89.2@8.755,-34.425 ccw(c7.816,-35.364) 7.816,-34.036 ccw(c7.816,-32.708) R89.2@8.755,-33.647
TMS: JTAG1.7 RESA1.4 U18.105 | length 79.8
  Top Layer w0.2: v1@22.104,-20.317 ccw(c21.739,-19.925) 22.275,-19.925 ; v1(22.275,-20.5) 22.275,-19.925 ; v1@22.446,-20.317 cw(c22.811,-19.925) 22.275,-19.925 ; U18.105@25.77,-23.036 25.77,-20.67 25.45,-20.35 25.45,-19.1 25.025,-18.675 23.525,-18.675 22.275,-19.925
  Bottom Layer w0.2: 2.45,-40.3 2.264,-40.114 ; JTAG1.7@5.696,-41.532 ccw(c4.305,-41.343) 5.298,-40.35 ; JTAG1.7@5.895,-41.559 ccw(c4.807,-41.411) 5.583,-40.635 ccw(c6.359,-39.859) JTAG1.7@6.507,-40.947 ; JTAG1.7@6.093,-41.586 ccw(c5.309,-41.48) 5.868,-40.92 ccw(c6.428,-40.361) JTAG1.7@6.534,-41.145 ; JTAG1.7@6.48,-40.748 cw(c6.291,-39.357) 5.298,-40.35 ; JTAG1.7@6.604,-41.656 5.298,-40.35 ; v1@22.098,-20.677 cw(c21.671,-21.104) 22.275,-21.104 cw(c22.879,-21.104) v1@22.452,-20.677 ; v1(22.275,-20.5) 22.275,-25.977 20.162,-28.09 17.363,-28.09 10.573,-21.3 4.275,-21.3 1.675,-23.9 1.675,-39.525 2.264,-40.114 ; 2.264,-40.114 2.5,-40.35 5.298,-40.35
  Bottom Layer w0.6: JTAG1.7@6.604,-41.656 8.85,-41.656 9.674,-42.48 RESA1.4@12.175,-42.48 ; JTAG1.7@7.11,-42.162 cw(c8.333,-43.385) 8.333,-41.656 cw(c8.333,-39.927) JTAG1.7@7.11,-41.15 ; RESA1.4@11.451,-42.904 ccw(c10.426,-43.929) 10.426,-42.48 ccw(c10.426,-41.031) RESA1.4@11.451,-42.056
TRST: JTAG1.3 RESA1.2 U18.134 | length 39.4
  Top Layer w0.2: U18.134@22.02,-37.786 26.736,-37.786 v1(27.725,-38.775) ; v1@27.475,-38.775 ccw(c26.871,-38.775) 27.298,-38.348 ccw(c27.725,-37.921) v1@27.725,-38.525
  Bottom Layer w0.6: JTAG1.3@6.604,-46.736 8.425,-46.736 9.249,-47.56 RESA1.2@12.175,-47.56 18.94,-47.56 v1(27.725,-38.775) ; JTAG1.3@7.11,-47.242 cw(c8.333,-48.465) 8.333,-46.736 cw(c8.333,-45.007) JTAG1.3@7.11,-46.23 ; RESA1.2@11.451,-47.984 ccw(c10.426,-49.009) 10.426,-47.56 ccw(c10.426,-46.111) RESA1.2@11.451,-47.136 ; RESA1.2@12.899,-47.984 cw(c13.924,-49.009) 13.924,-47.56 cw(c13.924,-46.111) RESA1.2@12.899,-47.136
TX_485: U17.4 U18.111 | length 16.9
  Top Layer w0.2: v1@19.262,-23.813 cw(c18.835,-24.24) 19.439,-24.24 cw(c20.042,-24.24) v1@19.615,-23.813 ; v1(19.439,-23.636) 19.439,-25.215 20.509,-26.286 U18.111@22.02,-26.286 ; U17.4@21.575,-15.125 v1(21.625,-15.175)
  Bottom Layer w0.2: v1@19.262,-23.46 ccw(c18.835,-23.033) 19.439,-23.033 ccw(c20.042,-23.033) v1@19.615,-23.46 ; v1(19.439,-23.636) 19.439,-19.111 21.625,-16.925 v1(21.625,-15.175) ; v1@21.448,-15.352 cw(c21.021,-15.779) 21.625,-15.779 cw(c22.229,-15.779) v1@21.802,-15.352
TX_LINK: R75.2 U18.101 | length 27.4
  Top Layer w0.2: v1@27.593,-25.378 ccw(c27.166,-24.951) 27.77,-24.951 ccw(c28.374,-24.951) v1@27.947,-25.378 ; v1(27.77,-25.555) U18.101@27.77,-23.036 ; v1(36.025,-11.575) R75.2@36.025,-11.525
  Bottom Layer w0.2: v1@27.52,-25.555 ccw(c26.916,-25.555) 27.343,-25.128 ccw(c27.77,-24.701) v1@27.77,-25.305 ; v1(27.77,-25.555) 25.615,-23.4 25.615,-17.16 29.575,-13.2 34.4,-13.2 v1(36.025,-11.575) ; v1@35.775,-11.575 cw(c35.171,-11.575) 35.598,-12.002 cw(c36.025,-12.429) v1@36.025,-11.825
WPS: FLAT2.13 U18.55 | length 75.3
  Top Layer w0.2: U18.55@44.02,-33.761 v1(47.486,-33.761) v1@47.65,-33.925 ; v1@47.309,-33.938 ccw(c46.882,-34.365) 46.882,-33.761 ccw(c46.882,-33.157) v1@47.309,-33.584
  Bottom Layer w0.2: v1(47.486,-33.761) 48.888,-33.761 52.702,-37.575 82.275,-37.575 90.31,-29.54 100.84,-29.54 101.81,-30.51 ; v1@47.663,-33.938 cw(c48.09,-34.365) 48.09,-33.761 cw(c48.09,-33.157) v1@47.663,-33.584 ; FLAT2.13@101.172,-32.018 ccw(c99.71,-30.51) 101.81,-30.51 ; FLAT2.13@101.311,-32.161 ccw(c100.168,-30.983) 101.81,-30.983 ccw(c103.452,-30.983) FLAT2.13@102.309,-32.161 ; FLAT2.13@101.451,-32.305 ccw(c100.627,-31.455) 101.81,-31.455 ccw(c102.993,-31.455) FLAT2.13@102.169,-32.305 ; FLAT2.13@101.81,-32.675 101.81,-30.51 ; FLAT2.13@102.448,-32.018 cw(c103.91,-30.51) 101.81,-30.51